# Allegro board SG2042_EVB_V2_0.brd (continued)
## Routing (per net, layer and track width the routed paths; a pad name or vN(x,y) marks a point on that pad's centre or on a via; arc(x,y) is an arc through that point) (continued)
PCIE0_TXP[5]: length 2.2
  TOP w0.152: C401.2 83.8,77.78 J2046.B37
PCIE0_TXP[5]_L: length 172.2
  TOP w0.254: C401.1 83.8,74.82
  ART03 w0.104: U1.BJ34 122.25,200.97 122.15,201.07 121.94,201.07 121.84,200.97 121.84,191.88 121.88,191.84 121.88,191.82
  ART03 w0.124: 83.8,74.82 83.97,74.64 83.97,74.23 84.34,73.87 85.55,73.87 86.23,74.55 86.23,80.6 88.23,82.6 88.23,86.77 91.26,89.81 112.34,89.81 138.61,116.07 138.61,164.05 121.88,180.77 121.88,191.82
PCIE0_TXP[6]: length 2.2
  TOP w0.152: J2046.B41 87.8,77.78 C405.2
PCIE0_TXP[6]_L: length 167.6
  TOP w0.254: C405.1 87.8,74.82
  ART03 w0.104: 122.88,191.82 122.88,191.84 122.84,191.88 122.84,198.97 122.94,199.07 123.15,199.07 123.25,198.97 U1.BL35
  ART03 w0.124: 122.88,191.82 122.88,181.33 139.71,164.5 139.71,115.61 112.8,88.71 94.16,88.71 92.23,86.77 92.23,82.6 90.23,80.6 90.23,74.55 89.55,73.87 88.34,73.87 87.97,74.23 87.97,74.64 87.8,74.82
PCIE0_TXP[7]: length 2.2
  TOP w0.152: C409.2 91.8,77.78 J2046.B45
PCIE0_TXP[7]_L: length 167
  TOP w0.254: C409.1 91.8,74.82
  ART03 w0.104: 123.88,191.82 123.88,191.84 123.84,191.88 123.84,200.97 123.94,201.07 124.15,201.07 124.25,200.97 U1.BJ36
  ART03 w0.124: 91.8,74.82 91.97,74.64 91.97,74.23 92.34,73.87 94.05,73.87 94.73,74.55 94.73,80.6 96.73,82.6 96.73,86.77 97.56,87.6 113.26,87.6 140.81,115.16 140.81,164.96 123.88,181.89 123.88,191.82
PCIE0_TXP[8]_L: length 112.5
  TOP w0.114: C413.1 v1(139.62,99.39)
  ART14 w0.104: 126.62,186.48 126.62,186.51 126.66,186.54 126.66,200.97 126.56,201.07 126.35,201.07 126.25,200.97 v1(126.25,200.55)
  ART14 w0.124: v1(139.62,99.39) 139.19,99.82 arc(139.1,99.86) 139.01,99.82 arc(138.92,99.78) 138.83,99.82 138.63,100.02 arc(138.6,100.11) 138.63,100.2 arc(138.67,100.29) 138.63,100.38 138.49,100.53 arc(138.35,100.73) 138.31,100.97 138.31,103.83 142.86,108.39 142.86,165.72 126.62,181.96 126.62,186.48
PCIE0_TXP[9]_L: length 108.4
  TOP w0.114: C417.1 v1(140.23,102.95)
  ART14 w0.104: v1(127.25,198.55) 127.25,198.97 127.35,199.07 127.56,199.07 127.66,198.97 127.66,186.54 127.62,186.51 127.62,186.48
  ART14 w0.124: 127.62,186.48 127.62,182.52 143.96,166.18 143.96,107.93 141.29,105.26 141.29,104.62 arc(141.21,104.43) 141.02,104.35 140.94,104.35 arc(140.67,104.08) 140.94,103.81 141.02,103.81 arc(141.21,103.73) 141.29,103.54 141.29,102.67 arc(141.21,102.47) 141.01,102.39 140.21,102.39 arc(140.1,102.43) 140.05,102.54 140.05,102.65 arc(140.08,102.76) 140.14,102.85 v1(140.23,102.95)
PCIE0_TXP[10]_L: length 111.8
  TOP w0.114: C421.1 v1(143.71,99.39)
  ART14 w0.104: v1(128.25,200.55) 128.25,200.97 128.35,201.07 128.56,201.07 128.66,200.97 128.66,186.54 128.62,186.51 128.62,186.48
  ART14 w0.124: 128.62,186.48 128.62,183.08 145.07,166.64 145.07,107.04 142.39,104.37 142.39,100.97 arc(142.44,100.73) 142.58,100.53 142.72,100.38 arc(142.76,100.29) 142.72,100.2 arc(142.68,100.11) 142.72,100.02 142.92,99.82 arc(143.01,99.78) 143.1,99.82 arc(143.19,99.86) 143.28,99.82 v1(143.71,99.39)
PCIE0_TXP[11]_L: length 107.7
  TOP w0.114: C425.1 v1(144.32,102.95)
  ART14 w0.104: v1(129.25,198.55) 129.25,198.97 129.35,199.07 129.56,199.07 129.66,198.97 129.66,186.54 129.62,186.51 129.62,186.48
  ART14 w0.124: v1(144.32,102.95) 144.22,102.85 arc(144.16,102.76) 144.14,102.65 144.14,102.54 arc(144.19,102.43) 144.3,102.39 145.1,102.39 arc(145.3,102.47) 145.38,102.67 145.38,103.54 arc(145.3,103.73) 145.11,103.81 145.03,103.81 arc(144.76,104.08) 145.03,104.35 145.11,104.35 arc(145.3,104.43) 145.38,104.62 145.38,105.26 146.17,106.05 146.17,167.09 129.62,183.64 129.62,186.48
PCIE0_TXP[12]_L: length 111.1
  TOP w0.114: C429.1 v1(147.8,99.39)
  ART14 w0.104: 130.62,186.48 130.62,186.51 130.66,186.54 130.66,200.97 130.56,201.07 130.35,201.07 130.25,200.97 v1(130.25,200.55)
  ART14 w0.124: 130.62,186.48 130.62,184.2 147.27,167.55 147.27,105.59 146.48,104.8 146.48,100.97 arc(146.53,100.73) 146.67,100.53 146.81,100.38 arc(146.85,100.29) 146.81,100.2 arc(146.77,100.11) 146.81,100.02 147.01,99.82 arc(147.1,99.78) 147.19,99.82 arc(147.28,99.86) 147.37,99.82 v1(147.8,99.39)
PCIE0_TXP[13]_L: length 107.9
  TOP w0.114: C433.1 v1(148.41,102.95)
  ART14 w0.104: 131.62,186.48 131.62,186.51 131.66,186.54 131.66,198.97 131.56,199.07 131.35,199.07 131.25,198.97 v1(131.25,198.55)
  ART14 w0.124: 131.62,186.48 131.62,184.76 148.37,168.01 148.37,106.15 149.47,105.05 149.47,104.62 arc(149.39,104.43) 149.2,104.35 149.12,104.35 arc(148.85,104.08) 149.12,103.81 149.2,103.81 arc(149.39,103.73) 149.47,103.54 149.47,102.67 arc(149.39,102.47) 149.19,102.39 148.39,102.39 arc(148.28,102.43) 148.23,102.54 148.23,102.65 arc(148.25,102.76) 148.31,102.85 v1(148.41,102.95)
PCIE0_TXP[14]_L: length 111.3
  TOP w0.114: C437.1 v1(151.89,99.39)
  ART14 w0.104: 132.62,186.48 132.62,186.51 132.66,186.54 132.66,200.97 132.56,201.07 132.35,201.07 132.25,200.97 v1(132.25,200.55)
  ART14 w0.124: v1(151.89,99.39) 151.46,99.82 arc(151.37,99.86) 151.28,99.82 arc(151.19,99.78) 151.1,99.82 150.9,100.02 arc(150.86,100.11) 150.9,100.2 arc(150.94,100.29) 150.9,100.38 150.76,100.53 arc(150.62,100.73) 150.57,100.97 150.57,105.51 149.48,106.61 149.48,168.46 132.62,185.31 132.62,186.48
PCIE0_TXP[15]_L: length 108.7
  TOP w0.114: C441.1 v1(152.5,102.95)
  ART14 w0.104: v1(133.25,198.55) 133.25,198.97 133.35,199.07 133.56,199.07 133.66,198.97 133.66,186.54 133.62,186.51 133.62,186.48
  ART14 w0.124: v1(152.5,102.95) 152.4,102.85 arc(152.34,102.76) 152.32,102.65 152.32,102.54 arc(152.37,102.43) 152.48,102.39 153.28,102.39 arc(153.48,102.47) 153.56,102.67 153.56,103.54 arc(153.48,103.73) 153.29,103.81 153.21,103.81 arc(152.94,104.08) 153.21,104.35 153.29,104.35 arc(153.48,104.43) 153.56,104.62 153.56,104.92 150.58,107.9 150.58,168.92 133.62,185.87 133.62,186.48
PCIE1_0_REFCLK_M: length 110.6
  TOP w0.081: v1(96.8,112.45) 96.99,112.63 96.99,113.01 97.22,113.25 100.17,113.25 100.25,113.33 R2527.1 100.82,113.25 101.54,113.25 R2526.2
  ART03 w0.089: v1(108.25,201.55) 108.25,201.26 108.16,201.17 107.86,201.17 107.63,200.94 107.63,186.27 86.85,165.5 86.85,138.99 97.06,128.78 97.06,123.05 95.05,121.03 95.05,114.97 96.98,113.04 96.98,112.63 v1(96.8,112.45)
PCIE1_0_REFCLK_P: length 110.5
  TOP w0.081: R2525.2 101.54,113.01 100.82,113.01 R2528.1 100.25,112.93 100.17,113.01 97.32,113.01 97.22,112.92 97.22,112.63 v1(97.41,112.45)
  ART03 w0.089: v1(97.41,112.45) 97.22,112.63 97.22,113.14 95.29,115.07 95.29,115.93 arc(95.35,116.08) 95.49,116.14 95.64,116.14 arc(95.84,116.34) 95.64,116.55 95.49,116.55 arc(95.35,116.61) 95.29,116.75 95.29,120.93 97.3,122.95 97.3,128.88 87.09,139.09 87.09,165.4 107.87,186.17 107.87,200.84 107.96,200.93 108.16,200.93 108.25,200.84 v1(108.25,200.55)
PCIE1_1_REFCLK_M: length 106.9
  TOP w0.081: R285.2 101.37,111.58 v1(101.24,111.46) 101.06,111.27 100.57,111.27 R286.1
  ART14 w0.089: v1(101.24,111.46) 101.01,111.23 96.75,111.23 94.73,113.25 94.73,121.24 96.73,123.24 96.73,129.45 87.09,139.09 87.09,164.4 108.87,186.17 108.87,195.94 108.64,196.17 108.34,196.17 108.25,196.26 v1(108.25,196.55)
PCIE1_1_REFCLK_P: length 106.8
  TOP w0.081: R287.1 100.57,111.03 101.06,111.03 v1(101.24,110.85) 101.37,110.72 R284.2
  ART14 w0.089: v1(108.25,195.55) 108.25,195.84 108.34,195.93 108.54,195.93 108.63,195.84 108.63,186.27 86.85,164.5 86.85,138.99 96.48,129.35 96.48,123.34 94.48,121.34 94.48,113.15 96.65,110.98 101.11,110.98 v1(101.24,110.85)
PCIE1_2_REFCLK_M: length 59.1
  TOP w0.081: R281.2 101.37,109.6 v1(101.24,109.47) ; J1104.A14 60.6,126.99 60.22,127.37 60.22,127.78 R290.1 60.55,128.59 v1(60.41,128.73)
  ART05 w0.074: v1(60.41,128.73) 60.31,128.63 arc(60.25,128.53) 60.22,128.41 60.22,127.96 arc(60.27,127.85) 60.38,127.81 arc(60.48,127.76) 60.53,127.66 60.53,127.58 arc(60.48,127.48) 60.38,127.43 arc(60.27,127.39) 60.22,127.28 60.22,125.51 arc(60.46,124.31) 61.14,123.29 61.16,123.27 arc(62.18,122.59) 63.38,122.35 90.78,122.35 arc(92.28,122.05) 93.55,121.2 93.57,121.19 arc(94.42,119.92) 94.72,118.42 94.72,115.97 arc(95.23,113.42) 96.67,111.25 97.8,110.13 arc(98.73,109.5) 99.84,109.28 100.92,109.28 arc(101.04,109.31) 101.14,109.37 v1(101.24,109.47)
PCIE1_2_REFCLK_P: length 59.1
  TOP w0.081: v1(101.24,108.86) 101.37,108.74 R280.2 ; J1104.A13 59.6,126.99 59.98,127.37 59.98,127.8 R291.1 59.66,128.59 v1(59.8,128.73)
  ART05 w0.074: v1(59.8,128.73) 59.91,128.63 arc(59.97,128.53) 60,128.41 60,125.51 arc(60.25,124.22) 60.98,123.13 61,123.11 arc(62.09,122.38) 63.38,122.13 90.78,122.13 arc(92.19,121.84) 93.39,121.04 93.41,121.03 arc(94.21,119.83) 94.49,118.42 94.49,115.97 arc(95.02,113.33) 96.51,111.09 97.64,109.97 arc(98.65,109.29) 99.84,109.06 100.92,109.06 arc(101.04,109.03) 101.14,108.97 v1(101.24,108.86)
PCIE1_3_REFCLK_M: length 32.2
  TOP w0.081: R267.2 114.88,107.62 v1(115.01,107.49) ; U3235.AF2 136.58,91.3 136.05,91.3 135.51,90.75 134.82,90.75 R298.1 134.17,90.75 131.4,90.75 v1(131.22,90.56)
  BOTTOM w0.081: v1(115.01,107.49) 115.11,107.39 arc(115.21,107.33) 115.32,107.3 115.81,107.3 arc(116.37,107.19) 116.85,106.88 131.83,91.9 arc(132.02,91.61) 132.09,91.27 132.09,91.2 arc(131.95,90.88) 131.64,90.75 131.53,90.75 arc(131.41,90.73) 131.32,90.66 v1(131.22,90.56)
PCIE1_3_REFCLK_P: length 32.2
  TOP w0.081: R266.2 114.88,106.76 v1(115.01,106.88) ; U3235.AF1 136.58,91.53 135.95,91.53 135.41,90.99 134.82,90.99 R299.1 134.17,90.99 131.4,90.99 v1(131.22,91.17)
  BOTTOM w0.081: v1(115.01,106.88) 115.11,106.98 arc(115.21,107.05) 115.32,107.07 115.81,107.07 arc(116.28,106.98) 116.68,106.71 130.61,92.79 arc(130.67,92.64) 130.61,92.5 130.51,92.4 arc(130.51,92.11) 130.8,92.11 130.9,92.21 arc(131.04,92.27) 131.19,92.21 131.66,91.73 arc(131.8,91.52) 131.85,91.27 131.85,91.2 arc(131.79,91.05) 131.64,90.99 131.53,90.99 arc(131.41,91.01) 131.32,91.07 v1(131.22,91.17)
PCIE1_ATB_0: length 55.1
  TOP w0.102: T38.1 v1(150.55,285.52) ; U1.E30 v1(118.75,245.05)
  BOTTOM w0.102: v1(118.75,245.05) 119.13,245.43 119.13,250.32 150.55,281.73 v1(150.55,285.52)
PCIE1_ATB_1: length 54.2
  TOP w0.102: T39.1 v1(84.76,283.9) ; U1.F28 v1(115.75,244.05)
  BOTTOM w0.102: v1(84.76,283.9) 84.76,280.9 115.37,250.29 115.37,244.43 v1(115.75,244.05)
PCIE1_L0_CLKREQ_IN_X: length 139.5
  TOP w0.102: U814.8 v1(38.33,242.29) ; v1(38.61,269.49) 38,270.1 38,275.04 38.81,275.85 38.81,284.74 46.6,292.53 68.92,292.53 107.25,254.2 U1.A19
  ART14 w0.102: v1(38.33,242.29) 36.55,244.07 36.55,258.62 38.21,260.28 38.21,269.09 v1(38.61,269.49)
PCIE1_L0_CLKREQ_IN_X_H: length 125.6
  TOP w0.102: R2521.2 v1(37.8,231.7) ; J1104.B12 v1(58.6,117.26)
  ART03 w0.102: v1(37.8,231.7) 38.46,231.04 38.46,228.19 39.88,226.76 39.88,226.08 40.18,225.77 40.18,220.41 42.29,218.3 42.29,213.38 45.85,209.82 45.85,203.8 47.57,202.07 47.57,189.17 48.21,188.54 48.21,181.52 47.55,180.86 47.55,178.68 47.78,178.45 47.78,150.66 48.67,149.77 48.67,133.76 51.33,131.1 51.33,128.85 55.8,124.38 55.8,120.06 v1(58.6,117.26)
PCIE1_L0_RESET_X: length 151.5
  TOP w0.102: U1.H27 v1(114.75,242.05) ; U814.7 v1(38.98,241.78) R2281.2
  ART14 w0.102: v1(114.75,242.05) 114.37,242.43 114.37,250.32 72.15,292.53 46.75,292.53 41.38,287.16 41.38,263.17 42.49,262.05 42.49,258.36 42.21,258.08 42.21,247.78 38.98,244.54 v1(38.98,241.78)
PCIE1_L0_RESET_X_H: length 114.6
  TOP w0.102: R2520.2 v1(38.66,231.7) ; J1104.A11 v1(55.6,127.18)
  ART03 w0.102: v1(55.6,127.18) 48.87,133.91 48.87,149.85 47.98,150.74 47.98,159.55 48.59,160.16 48.59,174.09 48.44,174.25 48.44,178.08 47.75,178.77 47.75,180.77 48.41,181.43 48.41,188.62 47.78,189.26 47.78,202.16 47.17,202.77 47.17,208.05 46.05,209.17 46.05,209.91 42.49,213.46 42.49,218.39 40.39,220.5 40.39,225.86 40.08,226.16 40.08,226.85 38.66,228.27 v1(38.66,231.7)
PCIE1_L0_WAKEUP_X: length 139.8
  TOP w0.089: U1.B19 106.85,247.95 106.85,248.75 106.92,248.82
  TOP w0.102: U814.9 v1(37.68,241.78) ; 106.92,248.82 106.92,254.24 68.83,292.33 46.69,292.33 39.01,284.66 39.01,275.77 38.2,274.95 38.2,270.51 v1(38.61,270.1)
  ART14 w0.102: v1(38.61,270.1) 38,269.5 38,260.36 36.35,258.71 36.35,243.11 v1(37.68,241.78)
PCIE1_L0_WAKEUP_X_H: length 124.7
  TOP w0.102: J1104.B11 v1(55.6,117.26) ; R2522.2 v1(36.93,231.7)
  ART03 w0.102: v1(55.6,117.26) 55.6,124.3 51.13,128.77 51.13,131.01 48.46,133.68 48.46,149.68 47.57,150.57 47.57,178.37 47.35,178.6 47.35,180.94 48.01,181.6 48.01,187.38 47.37,188.01 47.37,201.99 45.64,203.72 45.64,209.74 42.09,213.29 42.09,218.22 39.98,220.33 39.98,225.69 39.67,225.99 39.67,226.68 38.25,228.1 38.25,230.38 v1(36.93,231.7)
PCIE1_L1_CLKREQ_IN_X: length 111.4
  TOP w0.102: U1.H28 v1(115.75,242.05) ; T35.1 R12950.2 v1(38.43,282.12)
  ART14 w0.102: v1(38.43,282.12) 39.75,283.44 39.75,286.11 46.58,292.94 72.75,292.94 115.37,250.32 115.37,242.43 v1(115.75,242.05)
PCIE1_L1_RESET_X: length 115.6
  TOP w0.102: R12949.2 R2282.2 v1(38.43,276.12) ; U1.G27 v1(114.75,243.05)
  ART14 w0.102: v1(114.75,243.05) 115.13,243.43 115.13,250.27 72.66,292.74 46.66,292.74 39.95,286.03 39.95,277.65 v1(38.43,276.12)
PCIE1_L1_WAKEUP_X: length 108.6
  TOP w0.102: T36.1 R12947.2 v1(38.43,282.98) ; U1.E28 v1(115.75,245.05)
  ART14 w0.102: v1(38.43,282.98) 39.55,284.1 39.55,286.2 46.49,293.14 73.26,293.14 116.13,250.27 116.13,245.43 v1(115.75,245.05)
PCIE1_REXT: length 55.7
  TOP w0.102: R18.1 v1(148.82,285.52) ; U1.F29 v1(117.75,244.05)
  BOTTOM w0.102: v1(117.75,244.05) 118.13,244.43 118.13,250.62 148.82,281.31 v1(148.82,285.52)
PCIE1_RXM[0]: length 86.8
  TOP w0.381: J1104.A17 63.6,126.98 v1(63.41,127.18)
  ART14 w0.104: v1(100.25,196.55) 100.55,196.25 100.63,196.25 100.84,196.04 100.84,191.96 100.88,191.92 100.88,191.82
  ART14 w0.124: v1(63.41,127.18) 63.23,127.35 63.23,128.55 78.26,143.58 78.26,168.06 100.88,190.67 100.88,191.82
PCIE1_RXM[1]: length 83.1
  TOP w0.381: J1104.A22 68.6,126.98 v1(68.4,127.18)
  ART14 w0.104: 101.88,191.82 101.88,191.84 101.84,191.88 101.84,194.04 101.63,194.25 101.55,194.25 v1(101.25,194.55)
  ART14 w0.124: v1(68.4,127.18) 68.23,127.35 68.23,128.55 79.37,139.69 79.37,167.6 101.88,190.11 101.88,191.82
PCIE1_RXM[2]: length 83.9
  TOP w0.381: v1(72.4,127.18) 72.6,126.98 J1104.A26
  ART14 w0.104: 102.88,191.82 102.88,191.84 102.84,191.88 102.84,196.04 102.63,196.25 102.55,196.25 v1(102.25,196.55)
  ART14 w0.124: 102.88,191.82 102.88,189.55 80.47,167.14 80.47,136.79 72.23,128.55 72.23,127.35 v1(72.4,127.18)
PCIE1_RXM[3]: length 80.6
  TOP w0.381: v1(76.4,127.18) 76.6,126.98 J1104.A30
  ART14 w0.104: 103.88,191.82 103.88,191.84 103.84,191.88 103.84,194.04 103.63,194.25 103.55,194.25 v1(103.25,194.55)
  ART14 w0.124: 103.88,191.82 103.88,188.99 81.57,166.69 81.57,133.89 76.23,128.55 76.23,127.35 v1(76.4,127.18)
PCIE1_RXM[4]: length 80.6
  TOP w0.381: J1104.A36 82.6,126.98 v1(82.4,127.18)
  ART14 w0.104: 104.88,191.82 104.88,191.84 104.84,191.88 104.84,196.04 104.63,196.25 104.55,196.25 v1(104.25,196.55)
  ART14 w0.124: v1(82.4,127.18) 82.23,127.35 82.23,128.55 82.67,128.99 82.67,166.23 104.88,188.43 104.88,191.82
PCIE1_RXM[5]: length 79.4
  TOP w0.381: J1104.A40 86.6,126.98 v1(86.4,127.18)
  ART14 w0.104: v1(105.25,194.55) 105.55,194.25 105.63,194.25 105.84,194.04 105.84,191.88 105.88,191.84 105.88,191.82
  ART14 w0.124: 105.88,191.82 105.88,187.87 83.77,165.77 83.77,131 86.23,128.55 86.23,127.35 v1(86.4,127.18)
PCIE1_RXM[6]: length 82.5
  TOP w0.381: v1(90.41,127.18) 90.6,126.98 J1104.A44
  ART14 w0.104: 106.88,191.82 106.88,191.84 106.84,191.88 106.84,196.04 106.63,196.25 106.55,196.25 v1(106.25,196.55)
  ART14 w0.124: v1(90.41,127.18) 90.23,127.35 90.23,128.55 84.88,133.9 84.88,165.32 106.88,187.31 106.88,191.82
PCIE1_RXM[7]: length 81.7
  TOP w0.381: J1104.A48 94.6,126.98 v1(94.41,127.18)
  ART14 w0.104: 107.88,191.82 107.88,191.84 107.84,191.88 107.84,194.04 107.63,194.25 107.55,194.25 v1(107.25,194.55)
  ART14 w0.124: 107.88,191.82 107.88,186.76 85.98,164.86 85.98,136.79 94.23,128.55 94.23,127.35 v1(94.41,127.18)
PCIE1_RXM[8]: length 82.7
  TOP w0.381: v1(99.41,127.18) 99.6,126.98 J1104.A53
  ART14 w0.104: v1(109.25,194.55) 109.55,194.25 109.63,194.25 109.84,194.04 109.84,191.88 109.88,191.84 109.88,191.82
  ART14 w0.124: v1(99.41,127.18) 99.23,127.35 99.23,128.55 88.22,139.55 88.22,163.93 109.88,185.59 109.88,191.82
PCIE1_RXM[9]: length 87.3
  TOP w0.381: v1(103.41,127.18) 103.6,126.98 J1104.A57
  ART14 w0.104: v1(110.25,196.55) 110.55,196.25 110.63,196.25 110.84,196.04 110.84,191.88 110.88,191.84 110.88,191.82
  ART14 w0.124: v1(103.41,127.18) 103.23,127.35 103.23,128.55 101.4,130.37 98.96,130.37 89.32,140.01 89.32,163.47 110.88,185.03 110.88,191.82
PCIE1_RXM[10]: length 87.9
  TOP w0.381: J1104.A61 107.6,126.98 v1(107.41,127.18)
  ART14 w0.104: 111.88,191.82 111.88,191.84 111.84,191.88 111.84,194.04 111.63,194.25 111.55,194.25 v1(111.25,194.55)
  ART14 w0.124: v1(107.41,127.18) 107.23,127.35 107.23,128.55 104.3,131.47 99.42,131.47 90.42,140.47 90.42,163.02 111.88,184.47 111.88,191.82
PCIE1_RXM[11]: length 92.5
  TOP w0.381: J1104.A65 111.6,126.98 v1(111.41,127.18)
  ART14 w0.104: 112.88,191.82 112.88,191.84 112.84,191.88 112.84,196.04 112.63,196.25 112.55,196.25 v1(112.25,196.55)
  ART14 w0.124: 112.88,191.82 112.88,183.91 91.53,162.56 91.53,140.92 99.88,132.57 107.2,132.57 111.23,128.55 111.23,127.35 v1(111.41,127.18)
PCIE1_RXM[12]: length 93.1
  TOP w0.381: v1(115.41,127.18) 115.6,126.98 J1104.A69
  ART14 w0.104: v1(113.25,194.55) 113.55,194.25 113.63,194.25 113.84,194.04 113.84,191.88 113.88,191.84 113.88,191.82
  ART14 w0.124: 113.88,191.82 113.88,183.35 92.63,162.1 92.63,141.38 100.33,133.68 110.1,133.68 115.23,128.55 115.23,127.35 v1(115.41,127.18)
PCIE1_RXM[13]: length 97.7
  TOP w0.381: J1104.A73 119.6,126.98 v1(119.41,127.18)
  ART14 w0.104: 114.88,191.82 114.88,191.84 114.84,191.88 114.84,196.04 114.63,196.25 114.55,196.25 v1(114.25,196.55)
  ART14 w0.124: v1(119.41,127.18) 119.23,127.35 119.23,128.55 113,134.78 100.79,134.78 93.73,141.84 93.73,161.65 114.88,182.79 114.88,191.82
PCIE1_RXM[14]: length 98.2
  TOP w0.381: J1104.A77 123.6,126.98 v1(123.41,127.18)
  ART14 w0.104: 115.88,191.82 115.88,191.84 115.84,191.88 115.84,194.04 115.63,194.25 115.55,194.25 v1(115.25,194.55)
  ART14 w0.124: 115.88,191.82 115.88,182.23 94.83,161.19 94.83,142.29 101.25,135.88 115.89,135.88 123.23,128.55 123.23,127.35 v1(123.41,127.18)
PCIE1_RXM[15]: length 102.8
  TOP w0.381: v1(127.41,127.18) 127.6,126.98 J1104.A81
  ART14 w0.104: v1(116.25,196.55) 116.55,196.25 116.63,196.25 116.84,196.04 116.84,191.88 116.88,191.84 116.88,191.82
  ART14 w0.124: 116.88,191.82 116.88,181.67 95.94,160.73 95.94,142.75 101.71,136.98 118.79,136.98 127.23,128.55 127.23,127.35 v1(127.41,127.18)
PCIE1_RXP[0]: length 86.8
  TOP w0.381: v1(62.8,127.18) 62.6,126.98 J1104.A16
  ART14 w0.104: v1(100.25,195.55) 100.25,195.97 100.35,196.07 100.56,196.07 100.66,195.97 100.66,191.88 100.62,191.84 100.62,191.82
  ART14 w0.124: 100.62,191.82 100.62,190.78 78.01,168.16 78.01,143.69 62.97,128.65 62.97,127.35 v1(62.8,127.18)
PCIE1_RXP[1]: length 83.2
  TOP w0.381: J1104.A21 67.6,126.98 v1(67.8,127.18)
  ART14 w0.104: 101.62,191.82 101.62,191.84 101.66,191.88 101.66,193.97 101.56,194.07 101.35,194.07 101.25,193.97 v1(101.25,193.55)
  ART14 w0.124: 101.62,191.82 101.62,190.22 79.11,167.71 79.11,139.79 67.97,128.65 67.97,127.35 v1(67.8,127.18)
PCIE1_RXP[2]: length 83.9
  TOP w0.381: J1104.A25 71.6,126.98 v1(71.8,127.18)
  ART14 w0.104: 102.62,191.82 102.62,191.84 102.66,191.88 102.66,195.97 102.56,196.07 102.35,196.07 102.25,195.97 v1(102.25,195.55)
  ART14 w0.124: v1(71.8,127.18) 71.97,127.35 71.97,128.65 80.22,136.89 80.22,167.25 102.62,189.66 102.62,191.82
PCIE1_RXP[3]: length 80.7
  TOP w0.381: v1(75.8,127.18) 75.6,126.98 J1104.A29
  ART14 w0.104: v1(103.25,193.55) 103.25,193.97 103.35,194.07 103.56,194.07 103.66,193.97 103.66,191.88 103.62,191.84 103.62,191.82
  ART14 w0.124: 103.62,191.82 103.62,189.1 81.32,166.79 81.32,134 75.97,128.65 75.97,127.35 v1(75.8,127.18)
PCIE1_RXP[4]: length 80.6
  TOP w0.381: v1(81.8,127.18) 81.6,126.98 J1104.A35
  ART14 w0.104: 104.62,191.82 104.62,191.84 104.66,191.88 104.66,195.97 104.56,196.07 104.35,196.07 104.25,195.97 v1(104.25,195.55)
  ART14 w0.124: v1(81.8,127.18) 81.97,127.35 81.97,128.65 82.42,129.1 82.42,166.33 104.62,188.54 104.62,191.82
PCIE1_RXP[5]: length 79.4
  TOP w0.381: J1104.A39 85.6,126.98 v1(85.8,127.18)
  ART14 w0.104: 105.62,191.82 105.62,191.84 105.66,191.88 105.66,193.97 105.56,194.07 105.35,194.07 105.25,193.97 v1(105.25,193.55)
  ART14 w0.124: v1(85.8,127.18) 85.97,127.35 85.97,128.44 83.52,130.89 83.52,165.88 105.62,187.98 105.62,191.82
PCIE1_RXP[6]: length 82.6
  TOP w0.381: J1104.A43 89.6,126.98 v1(89.8,127.18)
  ART14 w0.104: v1(106.25,195.55) 106.25,195.97 106.35,196.07 106.56,196.07 106.66,195.97 106.66,191.88 106.62,191.84 106.62,191.82
  ART14 w0.124: v1(89.8,127.18) 89.97,127.35 89.97,128.44 84.63,133.79 84.63,165.42 106.62,187.42 106.62,191.82
PCIE1_RXP[7]: length 81.7
  TOP w0.381: J1104.A47 93.6,126.98 v1(93.8,127.18)
  ART14 w0.104: 107.62,191.82 107.62,191.84 107.66,191.88 107.66,193.97 107.56,194.07 107.35,194.07 107.25,193.97 v1(107.25,193.55)
  ART14 w0.124: v1(93.8,127.18) 93.97,127.35 93.97,128.44 85.73,136.69 85.73,164.96 107.62,186.86 107.62,191.82
PCIE1_RXP[8]: length 82.8
  TOP w0.381: J1104.A52 98.6,126.98 v1(98.8,127.18)
  ART14 w0.104: v1(109.25,193.55) 109.25,193.97 109.35,194.07 109.56,194.07 109.66,193.97 109.66,191.88 109.62,191.84 109.62,191.82
  ART14 w0.124: 109.62,191.82 109.62,185.69 87.97,164.04 87.97,139.45 98.97,128.44 98.97,127.35 v1(98.8,127.18)
PCIE1_RXP[9]: length 87.3
  TOP w0.381: v1(102.8,127.18) 102.6,126.98 J1104.A56
  ART14 w0.104: v1(110.25,195.55) 110.25,195.97 110.35,196.07 110.56,196.07 110.66,195.97 110.66,191.96 110.62,191.92 110.62,191.82
  ART14 w0.124: 110.62,191.82 110.62,185.13 89.07,163.58 89.07,139.91 98.86,130.12 101.3,130.12 102.97,128.44 102.97,127.35 v1(102.8,127.18)
PCIE1_RXP[10]: length 87.9
  TOP w0.381: v1(106.8,127.18) 106.6,126.98 J1104.A60
  ART14 w0.104: v1(111.25,193.55) 111.25,193.97 111.35,194.07 111.56,194.07 111.66,193.97 111.66,191.96 111.62,191.92 111.62,191.82
  ART14 w0.124: v1(106.8,127.18) 106.97,127.35 106.97,128.44 104.2,131.22 99.32,131.22 90.17,140.36 90.17,163.12 111.62,184.57 111.62,191.82
PCIE1_RXP[11]: length 92.5
  TOP w0.381: v1(110.8,127.18) 110.6,126.98 J1104.A64
  ART14 w0.104: 112.62,191.82 112.62,191.92 112.66,191.96 112.66,195.97 112.56,196.07 112.35,196.07 112.25,195.97 v1(112.25,195.55)
  ART14 w0.124: v1(110.8,127.18) 110.97,127.35 110.97,128.44 107.1,132.32 99.77,132.32 91.28,140.82 91.28,162.66 112.62,184.01 112.62,191.82
PCIE1_RXP[12]: length 93.1
  TOP w0.381: J1104.A68 114.6,126.98 v1(114.8,127.18)
  ART14 w0.104: v1(113.25,193.55) 113.25,193.97 113.35,194.07 113.56,194.07 113.66,193.97 113.66,191.88 113.62,191.84 113.62,191.82
  ART14 w0.124: 113.62,191.82 113.62,183.45 92.38,162.21 92.38,141.28 100.23,133.42 109.99,133.42 114.97,128.44 114.97,127.35 v1(114.8,127.18)
PCIE1_RXP[13]: length 97.7
  TOP w0.381: J1104.A72 118.6,126.98 v1(118.8,127.18)
  ART14 w0.104: v1(114.25,195.55) 114.25,195.97 114.35,196.07 114.56,196.07 114.66,195.97 114.66,191.96 114.62,191.92 114.62,191.82
  ART14 w0.124: v1(118.8,127.18) 118.97,127.35 118.97,128.44 112.89,134.53 100.69,134.53 93.48,141.73 93.48,161.75 114.62,182.89 114.62,191.82
PCIE1_RXP[14]: length 98.3
  TOP w0.381: J1104.A76 122.6,126.98 v1(122.8,127.18)
  ART14 w0.104: 115.62,191.82 115.62,191.92 115.66,191.96 115.66,193.97 115.56,194.07 115.35,194.07 115.25,193.97 v1(115.25,193.55)
  ART14 w0.124: 115.62,191.82 115.62,182.34 94.58,161.29 94.58,142.19 101.14,135.63 115.79,135.63 122.97,128.44 122.97,127.35 v1(122.8,127.18)
PCIE1_RXP[15]: length 102.9
  TOP w0.381: J1104.A80 126.6,126.98 v1(126.8,127.18)
  ART14 w0.104: 116.62,191.82 116.62,191.84 116.66,191.88 116.66,195.97 116.56,196.07 116.35,196.07 116.25,195.97 v1(116.25,195.55)
  ART14 w0.124: v1(126.8,127.18) 126.97,127.35 126.97,128.44 118.69,136.73 101.6,136.73 95.68,142.65 95.68,160.84 116.62,181.78 116.62,191.82
PCIE1_TXM[0]: length 2.2
  TOP w0.152: C384.2 61.41,118.42 J1104.B15
PCIE1_TXM[0]_L: length 106
  TOP w0.254: C384.1 61.41,115.46
  ART03 w0.104: U1.BH12 99.95,201.25 99.87,201.25 99.66,201.04 99.66,191.88 99.62,191.84 99.62,191.82
  ART03 w0.124: 99.62,191.82 99.62,190.78 78.01,169.16 78.01,140.95 65.47,128.42 65.47,123.34 63.47,121.34 63.47,116.9 arc(63.4,116.71) 63.21,116.63 63.1,116.63 arc(62.83,116.36) 63.1,116.1 63.21,116.1 arc(63.4,116.02) 63.47,115.83 63.47,115.29 62.94,114.76 61.44,114.76 61.23,114.97 61.23,115.28 61.41,115.46
PCIE1_TXM[1]: length 2.2
  TOP w0.152: C388.2 66.4,118.42 J1104.B20
PCIE1_TXM[1]_L: length 102
  TOP w0.254: C388.1 66.4,115.46
  ART03 w0.104: 100.62,191.82 100.62,191.84 100.66,191.88 100.66,199.04 100.87,199.25 100.95,199.25 U1.BK13
  ART03 w0.124: 100.62,191.82 100.62,190.22 79.11,168.71 79.11,137.56 69.97,128.42 69.97,123.34 67.97,121.34 67.97,116.9 arc(67.9,116.71) 67.71,116.63 67.6,116.63 arc(67.33,116.36) 67.6,116.1 67.71,116.1 arc(67.9,116.02) 67.97,115.83 67.97,115.29 67.44,114.76 66.44,114.76 66.23,114.97 66.23,115.28 66.4,115.46